# Altium PCB B38_PCB.PcbDoc (part 1 of 2)
Units mil, origin at the board's own origin, x right, y up, seen from the top; angles counter-clockwise.
Board outline 3051.18 x 3503.94 mil, 2 copper layers (Top Layer, Bottom Layer), stack 42.17 mil thick; 131 components, 125 nets, 478 pads, 141 vias.
Unrouted connection lines stored in the file: 3.
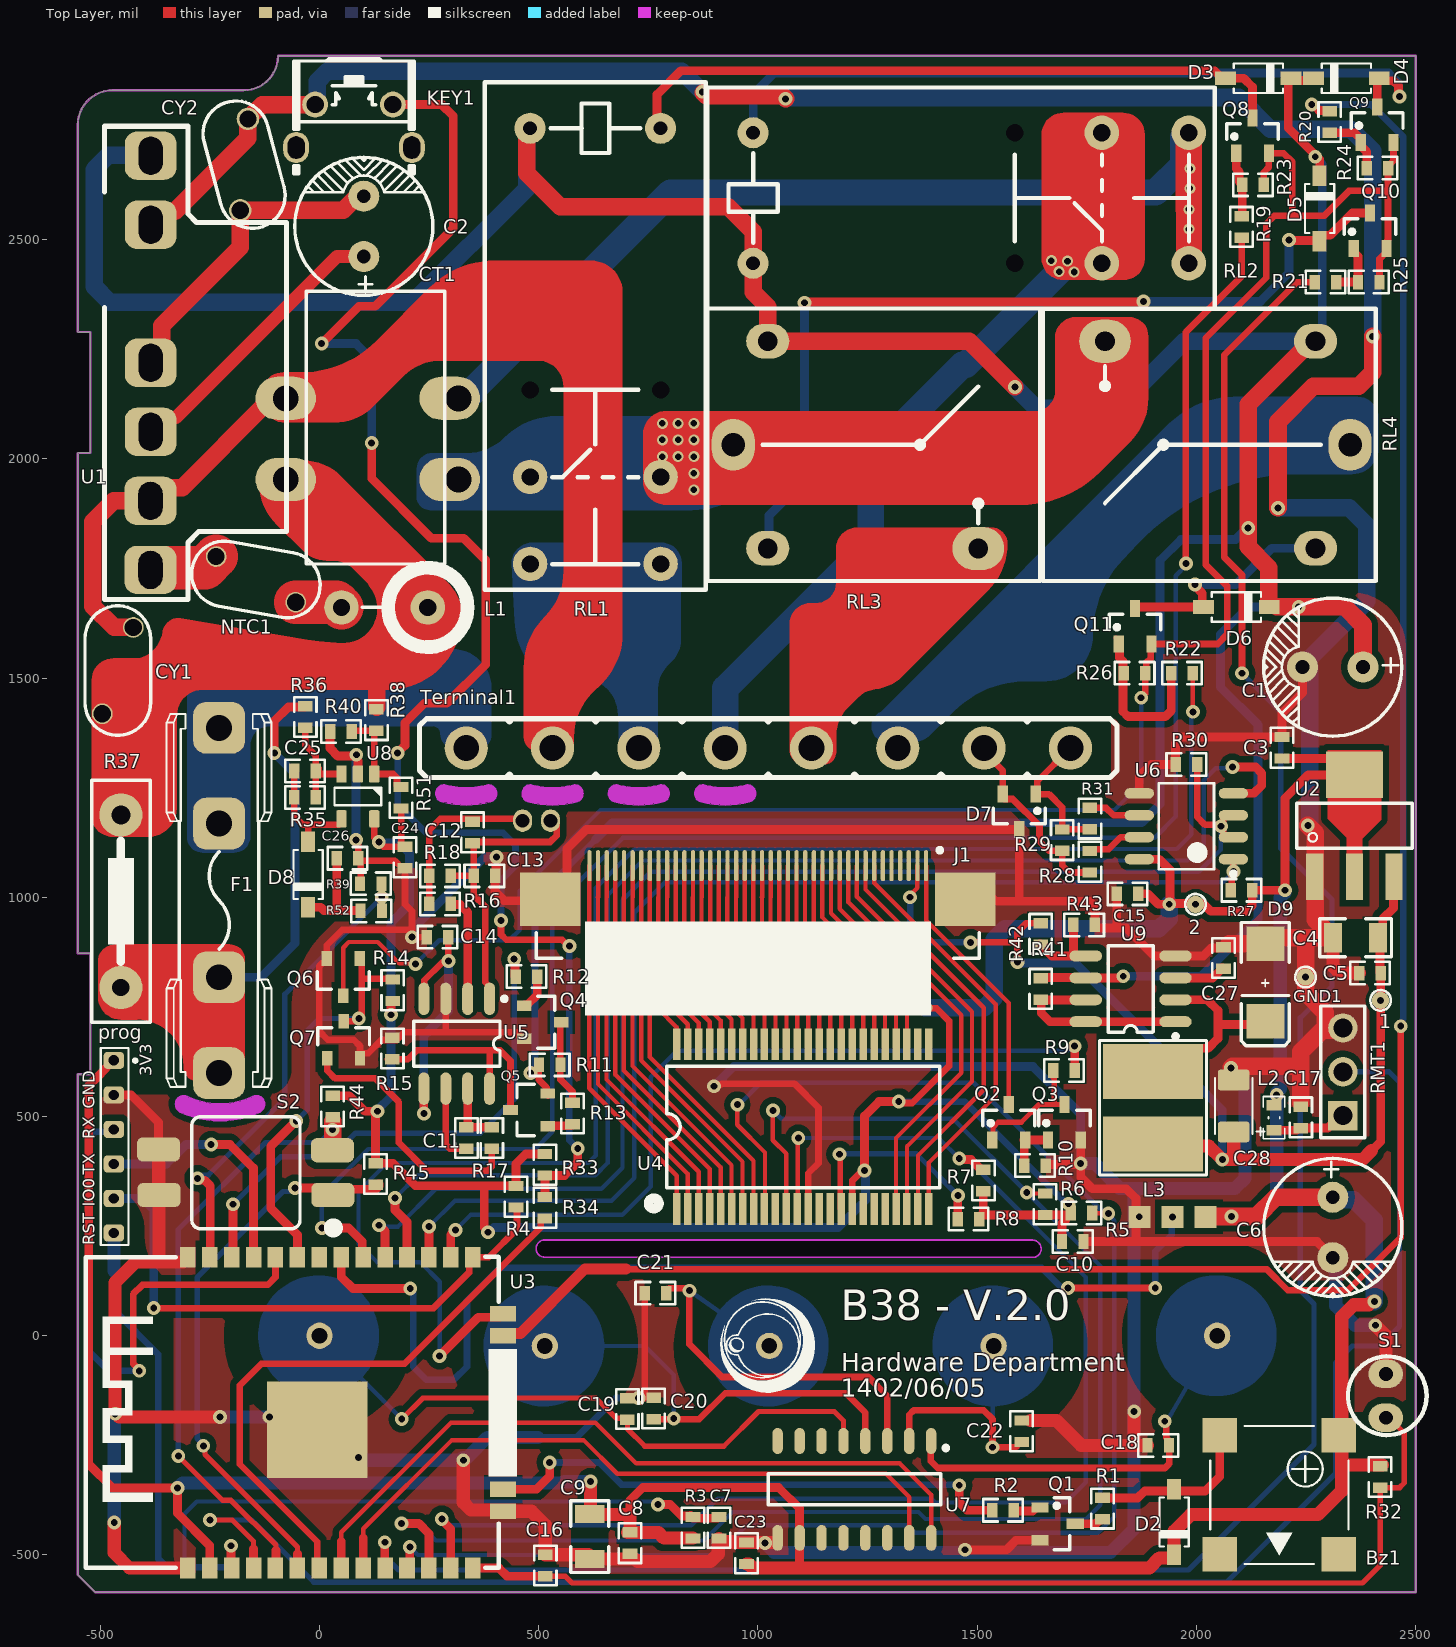
[diagram p0: Top Layer view]
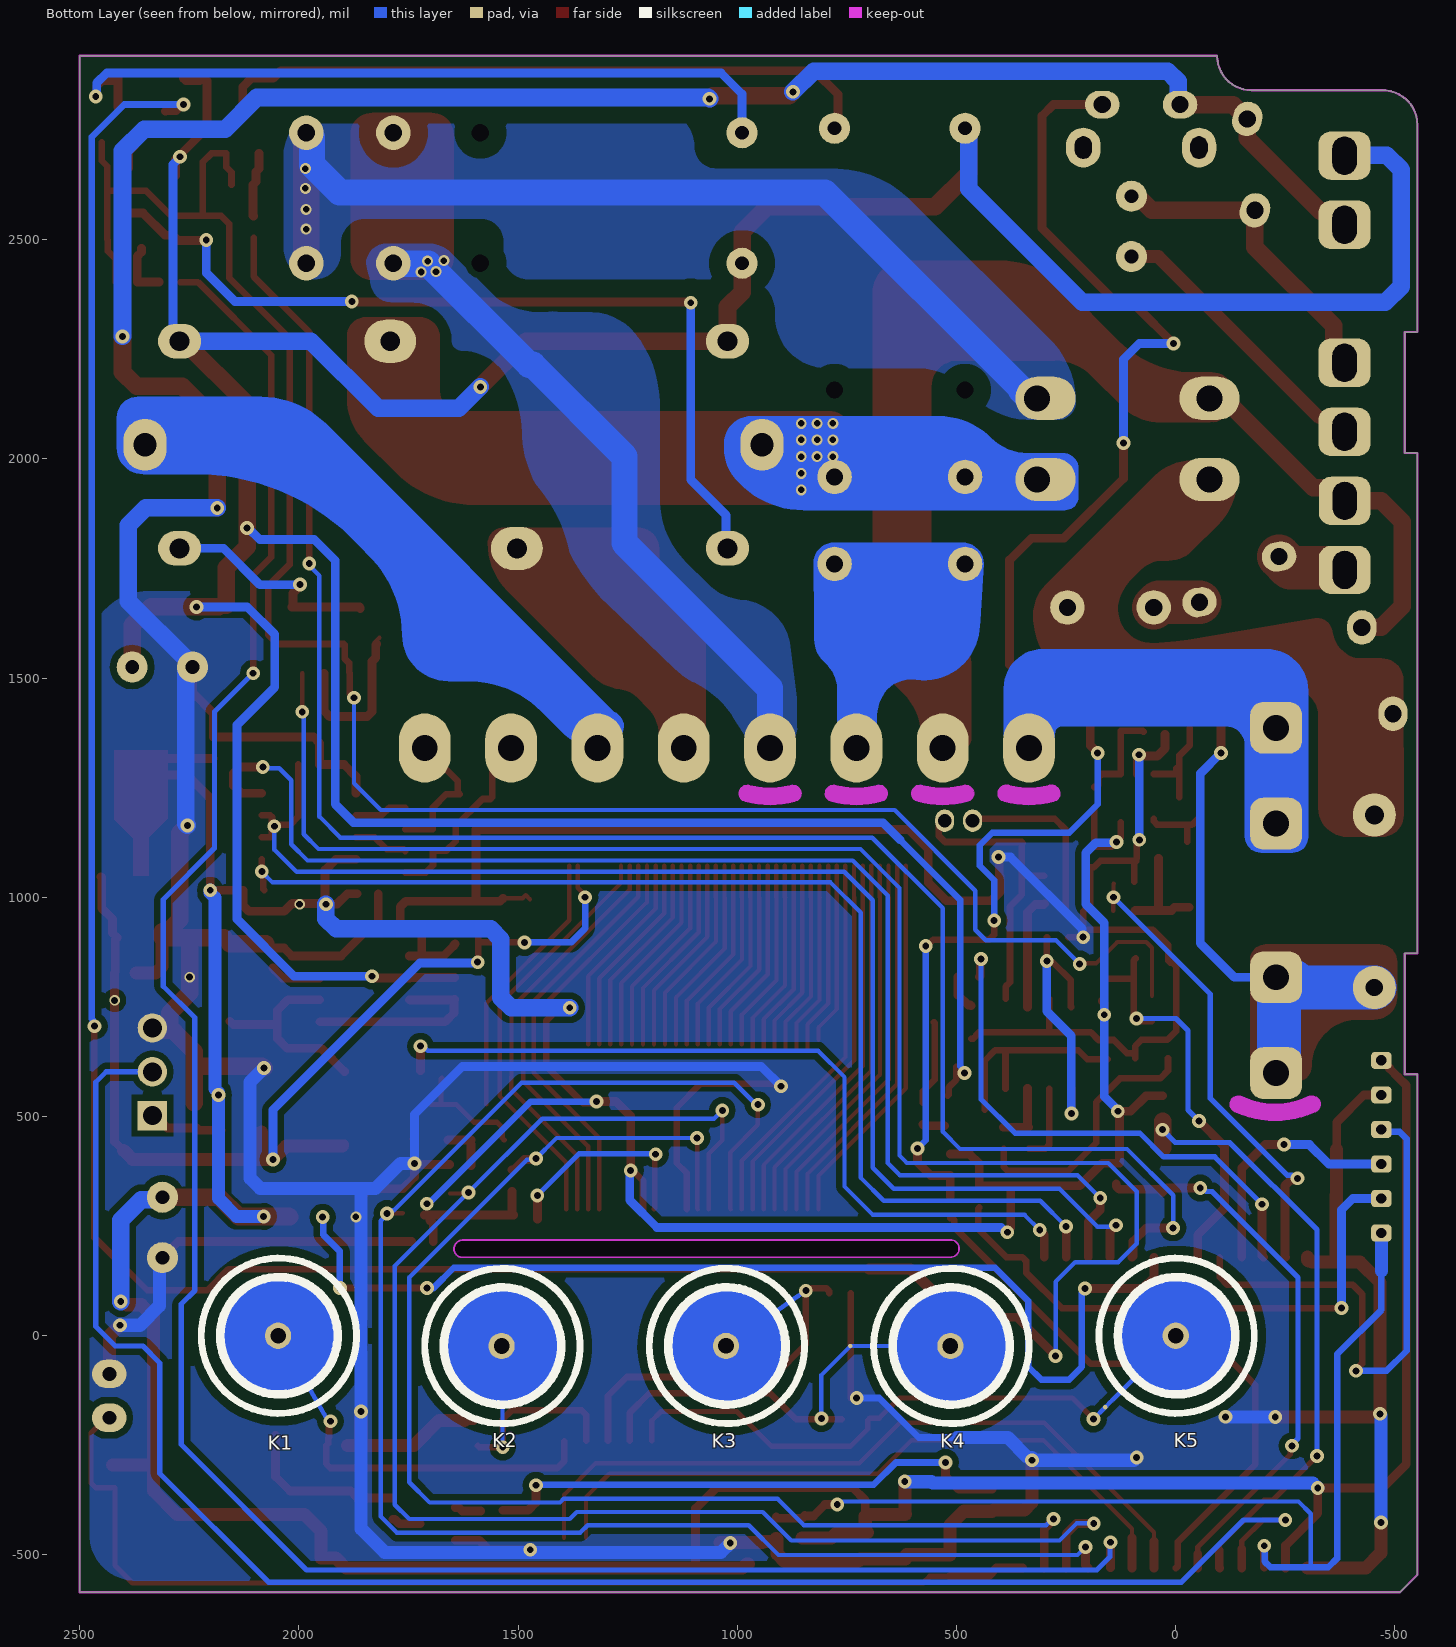
[diagram p1: Bottom Layer view, seen from below]

## Layer stack, top to bottom
Top Solder: solder mask 0.4, Solder Resist, Dk 3.5
Top Layer: signal copper 1.4
Dielectric 1: dielectric 39.3701, FR-4, Dk 4.8
Bottom Layer: signal copper 1.4
Bottom Solder: solder mask 0.4, Solder Resist, Dk 3.5

## Board outline
-551.19,-545.47 -551.19,541.15 -551.17,541.15 -551.17,596.27 -522.44,596.27 -522.44,871.86 -551.17,871.86 -551.17,2013.59 -522.44,2013.59 -522.44,2289.18 -551.17,2289.18 -551.19,2289.2 -551.17,2289.22 -551.17,2761.62 -551.19,2761.62 cw(c-472.45,2761.62) -472.45,2840.36 -173.24,2840.36 ccw(c-173.24,2919.1) -94.5,2919.1 2499.99,2919.1 2499.99,-584.84 -511.82,-584.84
cut-out: -318.33,510.15 ccw(c-226.81,706.41) -135.29,510.15 ccw(c-143.61,528) -123.91,528 ccw(c-143.61,528) -151.94,545.85 cw(c-226.81,706.41) -301.67,545.85 ccw(c-310,528)
cut-out: 513.78,179.13 1627.87,179.13 1626.87,178.87 ccw(c1626.87,198) 1646,198 ccw(c1625.76,198) 1625.76,218.24 1626.76,218.5 513.78,218.5 ccw(c513.78,198.82) 494.09,198.82 ccw(c513.78,198.82)
cut-out: 869.14,1217.8 ccw(c925.19,1426.97) 981.24,1217.8 ccw(c976.14,1236.83) 995.84,1236.83 ccw(c976.14,1236.83) 971.04,1255.86 cw(c925.19,1426.97) 879.34,1255.86 ccw(c874.24,1236.83)
cut-out: 672.29,1217.8 ccw(c728.34,1426.97) 784.39,1217.8 ccw(c779.29,1236.83) 798.99,1236.83 ccw(c779.29,1236.83) 774.19,1255.86 cw(c728.34,1426.97) 682.49,1255.86 ccw(c677.39,1236.83)
cut-out: 475.44,1217.8 ccw(c531.49,1426.97) 587.54,1217.8 ccw(c582.44,1236.83) 602.14,1236.83 ccw(c582.44,1236.83) 577.34,1255.86 cw(c531.49,1426.97) 485.64,1255.86 ccw(c480.54,1236.83)
cut-out: 278.59,1217.8 ccw(c334.64,1426.97) 390.68,1217.8 ccw(c385.59,1236.83) 405.29,1236.83 ccw(c385.59,1236.83) 380.49,1255.86 cw(c334.64,1426.97) 288.79,1255.86 ccw(c283.69,1236.83)

## Design rules (kind name [scope] priority, off if disabled: settings)
Clearance NULL [InNet('NU-RCCB-OUT')] p1: gap=40 ignorepadtopadclearanceinfootprint=FALSE
Clearance Clearance_LCD-Driver [InComponent('U5')] p2: gap=7.48 ignorepadtopadclearanceinfootprint=FALSE
Clearance Clearance_LCD [InComponent('J1')] p3: gap=7 ignorepadtopadclearanceinfootprint=FALSE
Clearance "Clearance_Keep-Out Layer" [OnLayer('Keep-Out Layer')] p4: gap=0 ignorepadtopadclearanceinfootprint=FALSE
Clearance Clearance_HVDC [InNet('PGND') vs InNet('HVDC')or InNet('NetC23_1')] p5: gap=39.37 ignorepadtopadclearanceinfootprint=FALSE
Clearance [All] p6: gap=15 ignorepadtopadclearanceinfootprint=FALSE
ComponentClearance [All] p1: gap=1 collisioncheckmode=3 verticalgap=10 showdistances=FALSE donotcheckwithout3dbody=TRUE
HoleToHoleClearance [All] p1: gap=3.94 allowstackedmicrovias=TRUE
MinimumSolderMaskSliver [All] p1: minsoldermaskwidth=0
NetAntennae NetAntennae_1 [All] p1: netantennaetolerance=0
NetAntennae [All] p2: netantennaetolerance=0.39
PolygonConnect [All] p1: connectstyle=Direct reliefconductorwidth=10 reliefentries=4 polygonreliefangle="90 Angle" airgapwidth=10
RoomDefinition Designator [InComponentClass('Designator')] p1: confinementstyle=ConfineIn formatcopy=TRUE lockcomponents=FALSE outline -2348.43,-1865.58 -348.43,-1865.58 -348.43,-865.58 -2348.43,-865.58
RoomDefinition Designator [InComponentClass('Designator')] p2: confinementstyle=ConfineOut formatcopy=TRUE lockcomponents=FALSE outline -2348.43,-1865.58 -348.43,-1865.58 -348.43,-865.58 -2348.43,-865.58
RoomDefinition U_B38_Shunt [InComponentClass('U_B38_Shunt')] p3: confinementstyle=ConfineOut formatcopy=TRUE lockcomponents=FALSE outline -2348.43,-1865.58 -348.43,-1865.58 -348.43,-865.58 -2348.43,-865.58
RoomDefinition Temp_Sensor [InComponentClass('Temp_Sensor')] p4: confinementstyle=ConfineOut formatcopy=TRUE lockcomponents=FALSE outline -2348.43,-1865.58 -348.43,-1865.58 -348.43,-865.58 -2348.43,-865.58
RoomDefinition Voltage_Regulator [InComponentClass('Voltage_Regulator')] p5: confinementstyle=ConfineOut formatcopy=TRUE lockcomponents=FALSE outline -2348.43,-1865.58 -348.43,-1865.58 -348.43,-865.58 -2348.43,-865.58
RoomDefinition U_B38_TOUCH_KEYS [InComponentClass('U_B38_TOUCH_KEYS')] p6: confinementstyle=ConfineOut formatcopy=TRUE lockcomponents=FALSE outline -2348.43,-1865.58 -348.43,-1865.58 -348.43,-865.58 -2348.43,-865.58
RoomDefinition U_B38_RF-RMT [InComponentClass('U_B38_RF-RMT')] p7: confinementstyle=ConfineOut formatcopy=TRUE lockcomponents=FALSE outline -2348.43,-1865.58 -348.43,-1865.58 -348.43,-865.58 -2348.43,-865.58
RoomDefinition U_B38_Relay [InComponentClass('U_B38_Relay')] p8: confinementstyle=ConfineOut formatcopy=TRUE lockcomponents=FALSE outline -2348.43,-1865.58 -348.43,-1865.58 -348.43,-865.58 -2348.43,-865.58
RoomDefinition U_B38_LCM [InComponentClass('U_B38_LCM')] p9: confinementstyle=ConfineOut formatcopy=TRUE lockcomponents=FALSE outline -2348.43,-1865.58 -348.43,-1865.58 -348.43,-865.58 -2348.43,-865.58
RoomDefinition RS485 [InComponentClass('RS485')] p10: confinementstyle=ConfineOut formatcopy=TRUE lockcomponents=FALSE outline -2348.43,-1865.58 -348.43,-1865.58 -348.43,-865.58 -2348.43,-865.58
RoomDefinition POWER [InComponentClass('POWER')] p11: confinementstyle=ConfineOut formatcopy=TRUE lockcomponents=FALSE outline -2348.43,-1865.58 -348.43,-1865.58 -348.43,-865.58 -2348.43,-865.58
RoomDefinition ESP32 [InComponentClass('ESP32')] p12: confinementstyle=ConfineOut formatcopy=TRUE lockcomponents=FALSE outline -2348.43,-1865.58 -348.43,-1865.58 -348.43,-865.58 -2348.43,-865.58
RoomDefinition Buzzer [InComponentClass('Buzzer')] p13: confinementstyle=ConfineOut formatcopy=TRUE lockcomponents=FALSE outline -2348.43,-1865.58 -348.43,-1865.58 -348.43,-865.58 -2348.43,-865.58
RoomDefinition B38_TopSheet [InComponentClass('B38_TopSheet')] p14: confinementstyle=ConfineOut formatcopy=TRUE lockcomponents=FALSE outline -2348.43,-1865.58 -348.43,-1865.58 -348.43,-865.58 -2348.43,-865.58
RoutingVias [All] p1: holewidth=15.75 width=31.5 viastyle="Through Hole" minholewidth=15.75 minwidth=31.5 maxholewidth=15.75 maxwidth=31.5
SilkToSilkClearance [All] p1: silktosilkclearance=0
SilkToSolderMaskClearance [IsPad] p1: minsilkscreentomaskgap=0.04 clearancetoexposedcopper=TRUE
SolderMaskExpansion [All] p1: expansion=4 istentingtop=FALSE
Width [All] p1: maxlimit=100 minlimit=10 preferedwidth=20
24 further rules are at their usual default settings.

## Classes and differential pairs
component class U_B38_Shunt: C24 C25 C26 D8 R35 R36 R37 R38 R39 R40 R51 R52 U8
component class Designator: C27 C28 D9 L3 R41 R42 R43 U9
component class Temp_Sensor: C16 R32 S1
component class ESP32: C7 C8 C9 R3 R4 U3
component class U_B38_Relay: D3 D4 D5 D6 Q8 Q9 Q10 Q11 R19 R20 R21 R22 R23 R24 R25 R26 RL1 RL2 RL3 RL4
component class U_B38_TOUCH_KEYS: C18 C19 C20 C21 C22 C23 K1 K2 K3 K4 K5 U7
component class U_B38_RF-RMT: C17 L2 RMT1
component class U_B38_LCM: C10 J1 Q2 Q3 R5 R6 R7 R8 R9 R10 U4
component class Voltage_Regulator: C3 C4 C5 C6 U2
component class Designator: C11 C12 C13 C14 Q4 Q5 Q6 Q7 R11 R12 R13 R14 R15 R16 R17 R18 U5
component class RS485: C15 D7 R27 R28 R29 R30 R31 U6
component class POWER: C1 C2 CY1 CY2 L1 NTC1 U1
component class B38_TopSheet: 1 2 CT1 F1 GND1 KEY1 prog R33 R34 R44 R45 S2 Terminal1
component class Buzzer: Bz1 D2 Q1 R1 R2

## Components (designator, comment, footprint, x,y, rotation, side; value= is the part's Value field where it differs from the comment)
1 "DNP" TP 2420,765 r90 top
2 "DNP" TP 1998,984 r90 top
Bz1 "Buzzer" Buzzer 2189,-363 r180 top
C1 "1000uF" "Cap electrolitic radial 8x11.5" 2311.02,1525 r0 top
C2 "4.7uF 400V" "Cap electrolitic radial 8x11.5" 101,2530 r270 top
C3 "100nF" CAP0603 2195,1341 r270 top
C4 "10uF" cap1206 2363,908 r0 top
C5 "100nF" CAP0603 2395.7,827.07 r0 top
C6 "1000uF/6.3V" "Cap electrolitic radial 8x11.5" 2311,247 r90 top locked
C7 "100nF" CAP0603 911,-438 r90 top
C8 "100nF" CAP0603 708,-473 r90 top
C9 "10uF" CAP1206 616,-458 r90 top value=100nF
C10 "100nF" CAP0603 1718,215 r0 top
C11 "47nF" CAP0603 335,451 r270 top
C12 "47nF" CAP0603 349,1148 r270 top
C13 "47nF" CAP0603 376,1049 r0 top
C14 "47nF" CAP0603 269,909 r180 top
C15 "100nF" CAP0603 1843,1008 r0 top
C16 "100nF" CAP0603 515,-524 r270 top
C17 "100nF" CAP0603 2238,498 r90 top
C18 "DNP (10pF)" CAP0603 1913,-250 r0 top value=100nF
C19 "DNP (10pF)" CAP0603 702,-167 r270 top value=100nF
C20 "DNP (10pF)" CAP0603 762,-166 r270 top value=100nF
C21 "DNP (10pF)" CAP0603 766,97 r0 top value=100nF
C22 "DNP (10pF)" CAP0603 1601.39,-217.68 r270 top value=100nF
C23 "100nF" CAP0603 974,-496 r90 top
C24 "1UF" CAP0603 195,1091 r270 top
C25 "100pF" CAP0603 -33,1287.87 r180 top
C26 "1UF" CAP0603 64,1089 r0 top
C27 "150pf" CAP0603 2061.9,861.66 r90 top
C28 "47uF 16V" "Capacitor Tantalum" 2085,524 r90 top value=1uF
CT1 "CT" RCCB-CT 299.95,1992.01 r270 top locked
CY1 "1nF/2KV" "NTC 7.5-D"#1 -460,1517 r0 top
CY2 "1nF/2KV" "NTC 7.5-D"#2 -172,2671 r195 top
D2 "1N4148" sod-123 1949,-424.8 r180 top value=1N4148WS
D3 "1N4148" SOD-123 2141,2868 r270 top
D4 "1N4148" SOD-123 2342,2868 r90 top
D5 "1N4148" SOD-123 2281,2571 r0 top
D6 "1N4148" SOD-123 2091,1662 r270 top
D7 "PSM712" SOT-23 1596,1195 r180 top
D8 "LL4148" sod-123 -26,1052 r180 top
D9 "SS14" "M7(1n4007 SMD)DO214" 2157,806 r270 top
F1 "F=1.0 A" "FUSE 5X20" -229,992.8 r180 top
GND1 "DNP" TP 2248.89,817.95 r90 top
J1 "4-1734592-0" "FFC40PIN TOP" 999.51,961.76 r0 top
K1 "" ?#1 2045.22,0 r60 bottom locked
K2 "" ?#2 1535.43,-23.35 r90 bottom locked
K3 "" ?#3 1023.62,-23.25 r325 bottom locked
K4 "" ?#4 511.81,-23.35 r180 bottom locked
K5 "" ?#5 -2.03,0 r135 bottom locked
KEY1 "ON-OFF Key" "PUSH BUTTON" 78.73,2807.88 r0 top locked
L1 "1mH" "Inductor Stand" 247,1661 r270 top
L2 "Ferrite Bead SMD" FB0603 2177,497.46 r90 top
L3 "22uH" IND-5.8MM 1901,520 r0 top
NTC1 "10D-7" "NTC 7.5-D"#3 -145,1725 r260 top
prog "header1*4" HEADER-2.54MM -469,627.96 r270 top
Q1 "mmbt3904" SOT-23 1683.31,-429 r270 top
Q2 "mmbt3904" SOT-23 1572,487 r0 top
Q3 "mmbt3904" SOT-23 1699,487 r0 top
Q4 "2n3904" sot23 509,715 r0 top
Q5 "2n3906" sot23 478,515 r180 top
Q6 "2N7002" sot23 54,818 r270 top
Q7 "2N7002" sot23 55,675 r90 top
Q8 "mmbt3904" SOT-23 2128,2737 r0 top
Q9 "mmbt3904" SOT-23 2412,2762 r0 top
Q10 "mmbt3904" SOT-23 2396,2520 r0 top
Q11 "mmbt3904" SOT-23 1860,1618 r0 top
R1 "10R" RES0603 1785.8,-394.24 r270 top value=100Ω
R2 "1K" RES0603 1559,-398 r180 top value=1KΩ
R3 "10K" RES0603 852,-438 r270 top value=100Ω
R4 "10K" RES0603 448,317 r90 top value=100Ω
R5 "10K" RES0603 1738,280 r0 top value=100Ω
R6 "10K" RES0603 1655,300 r90 top value=100Ω
R7 "10K" RES0603 1514,354 r90 top value=100Ω
R8 "75R" RES0603 1480,266 r180 top value=100Ω
R9 "10K" RES0603 1698,605 r0 top value=100Ω
R10 "33R" RES0603 1632,388 r180 top value=100Ω
R11 "Res1" RES0603 525,618 r180 top value=10k
R12 "Res1" RES0603 472,819 r0 top value=10k
R13 "Res1" RES0603 577,507 r90 top value=10k
R14 "Res1" RES0603 167,788 r90 top value=10k
R15 "Res1" RES0603 166,655 r90 top value=56k
R16 "Res1" RES0603 275,985 r180 top value=100R
R17 "Res1" RES0603 393,451 r90 top value=10k
R18 "Res1" RES0603 275,1049 r0 top value=120R
R19 "2.2K" RES0603 2103,2529 r270 top value=1KΩ
R20 "2.2K" RES0603 2304,2768 r90 top value=1KΩ
R21 "2.2K" RES0603 2294.5,2403 r180 top value=1KΩ
R22 "2.2K" RES0603 1967,1511 r0 top value=1KΩ
R23 "10K" RES0603 2129,2625 r0 top value=1KΩ
R24 "10K" RES0603 2413,2663 r0 top value=1KΩ
R25 "10K" RES0603 2393,2403 r0 top value=1KΩ
R26 "10K" RES0603 1859,1511 r0 top value=1KΩ
R27 "10k" RES0603 2103,1016 r0 top
R28 "10R" RES0603 1756.87,1081 r270 top value=10Ω
R29 "120R" RES0603 1693.89,1130.21 r270 top value=120Ω
R30 "10k" RES0603 1977,1303 r180 top
R31 "10R" RES0603 1756.87,1179.43 r270 top value=10Ω
R32 "10K, 1%" RES0603 2419,-322 r90 top value=120Ω
R33 "10K" RES0603 514,390 r270 top value=100Ω
R34 "1K" RES0603 514,292 r90 top value=100Ω
R35 "Res1" RES0603 -33,1227.87 r180 top value=100K
R36 "Res1" RES0603 -32.34,1411 r270 top value=3K
R37 "10MiliOhm" SHUNT-10MM -453,991 r270 top
R38 "Res1" RES0603 129.66,1404 r270 top value=3K
R39 "Res1" RES0603 117,1031 r0 top value=560K
R40 "Res1" RES0603 49,1378 r0 top value=100K
R41 "192miliOHM" RES0603 1644.89,791.16 r90 top value=1K
R42 "3K" RES0603 1644.9,916.66 r90 top
R43 "1K" RES0603 1743.89,937.16 r0 top
R44 "10K" RES0603 30,523 r270 top value=100Ω
R45 "10K" RES0603 128,369 r270 top value=100Ω
R51 "Res1" RES0603 186,1227 r270 top value=330K
R52 "Res1" RES0603 118,969 r180 top value=150K
RL1 "RELAY_SPST" RELAY-HF115F 629.18,2280.62 r270 top locked
RL2 "RELAY_SPST" RELAY-HF115F 1462.23,2594.82 r0 top locked
RL3 "RELAY_SPST" REL-SEDNA-4PIN 1223,2032 r0 top locked
RL4 "RELAY_SPST" REL-SEDNA-4PIN 2071,2032 r180 top locked
RMT1 "RF831" RF-RMT 2334,502 r90 top
S1 "103AT" 103AT 2432,-137 r90 top
S2 "DIP Switch x2" "GDS02s-2.54 smd" 30,372 r90 top locked
Terminal1 "Header 8" TERMINAL 1023.62,1340.36 r0 top locked
U1 "LS05-13BxxR3-F" LS05-13BXXR3 -385.2,2219 r90 top locked
U2 "AMS1117-3.3V" SOT-223 2360.23,1162.95 r0 top
U3 "ESP32-WROOM" "ESP32 WROOM" -98.43,-175.39 r90 top locked
U4 "32 4 LCD Controller" SOP64P1035X277-48N 1102.36,476.81 r90 top locked
U5 "opamp" SO-8 313,666 r90 top
U6 "SN65HVD75D" SO-8N 1977,1162 r180 top
U7 "BS818A-2" SO16 1220,-350.47 r270 top
U8 "LMV321IDBVR" SOT23-5 87.54,1230 r270 top
U9 "MC34063ACD-TR" SO-8 1849.91,791.18 r0 top

## Footprints (in the part's own frame and the unit in brackets; to place one, negate y for a bottom-side part, rotate by r counter-clockwise, add the part's x,y. Pads: shape width x height; smd on the part's side, far side on the other; paste and mask are expansions set on the pad)
103AT [mm]
  oval 1.65x2 hole 0.8: 1(-1.27,0) 2(1.27,0)
  silkscreen extent -2.27,-2.36 2.28,2.19
Buzzer [mm]
  rect 2x2 smd: 1(-3.45,-3.45) 2(3.45,-3.45) 3(-3.45,3.45) 4(3.45,3.45)
  silkscreen extent -4,-4 4,4, body extent -4.25,-4.25 4.25,4.25, height 3
CAP0603 [mm]
  rect 0.6x0.85 smd: 1(-0.622,0) 2(0.622,0)
  Top Layer pour cut-out: -0.65,0.65 -0.65,-0.65 0.622,-0.65 0.622,0.65
  silkscreen extent -1.15,-0.65 1.15,0.65, body extent -0.82,-0.42 0.83,0.43, height 0.4
cap1206 [mm]
  rect 1.05x1.7 smd: 1(-1.3,0) 2(1.3,0)
  Top Layer pour cut-out: -1.6,1.1 1.6,1.1 1.6,-1.1 -1.6,-1.1
  silkscreen extent -2.08,-1.1 2.08,1.1, body extent -1.65,-0.85 1.65,0.85, height 0.94
CAP1206 [mm]
  rect 1.05x1.7 smd: 1(-1.3,0) 2(1.3,0)
  Top Layer pour cut-out: -1.6,1.1 1.6,1.1 1.6,-1.1 -1.6,-1.1
  silkscreen extent -2.08,-1.1 2.08,1.1, body extent -1.65,-0.85 1.65,0.85, height 0.94
"Cap electrolitic radial 8x11.5" [mm]
  round 1.8 hole 0.8: 1(1.75,0) 2(-1.75,0)
  silkscreen extent -4.02,-4 4,4, body extent -4.03,-4.03 4.03,4.03, height 12.03
"Capacitor Tantalum" [mm] "package size A or 1206"
  rrect25% 1.2x1.82 smd: 1(-1.505,0) 2(1.505,0)
  silkscreen extent -1.71,-1.79 1.63,1.09, body extent -1.71,-0.89 1.69,0.91, height 1.8
"ESP32 WROOM" [mm]
  rect 5.588x5.842 smd paste-2.25: 0(-0.996,-2.37)
  rect 1.2x0.9 smd: 1(-9,5.13) 2(-9,3.86) 3(-9,2.59) 4(-9,1.32) 5(-9,0.05) 6(-9,-1.22) 7(-9,-2.49) 8(-9,-3.76) 9(-9,-5.03) 10(-9,-6.3) 11(-9,-7.57) 12(-9,-8.84) 13(-9,-10.11) 14(-9,-11.38) 25(9,-11.38) 26(9,-10.11) 27(9,-8.84) 28(9,-7.57) 29(9,-6.3) 30(9,-5.03) 31(9,-3.76) 33(9,-1.22) 34(9,0.05) 35(9,1.32) 36(9,2.59) 37(9,3.86) 38(9,5.13)
  rect 0.9x1.5 smd: 15(-5.711,-13.134) 16(-4.441,-13.134) 23(4.449,-13.134) 24(5.719,-13.134)
  rect 0.9x1.5 on Top Overlay: 17(-3.171,-13.134) 18(-1.901,-13.134) 19(-0.631,-13.134) 20(0.639,-13.134) 21(1.909,-13.134) 22(3.179,-13.134)
  rect 1.2x0.9 smd paste+0: 32(9,-2.49)
  silkscreen extent -8.99,-12.89 9.02,11.05, body extent -9.04,-12.94 9.03,12.6, height 3.04
FB0603 [mm] "Ferrite Chip Bead SMD 0603-Design:Ali Hafizi"
  rect 0.6x0.85 smd: 1(-0.725,0) 2(0.725,0)
  silkscreen extent -1.22,-0.63 1.22,0.63, body extent -0.81,-0.4 0.79,0.4, height 0.8
"FFC40PIN TOP" [mm]
  rect 3.5x3.1 smd paste+0: 0(-12.02,0.85) 0(12.02,0.85)
  oval 0.25x1.8 smd paste+0: 1(9.75,2.8) 2(9.25,2.8) 3(8.75,2.8) 4(8.25,2.8) 5(7.75,2.8) 6(7.25,2.8) 7(6.75,2.8) 8(6.25,2.8) 9(5.75,2.8) 10(5.25,2.8) 11(4.75,2.8) 12(4.25,2.8) 13(3.75,2.8) 14(3.25,2.8) 15(2.75,2.8) 16(2.25,2.8) 17(1.75,2.8) 18(1.25,2.8) 19(0.75,2.8) 20(0.25,2.8) 21(-0.25,2.8) 22(-0.75,2.8) 23(-1.25,2.8) 24(-1.75,2.8) 25(-2.25,2.8) 26(-2.75,2.8) 27(-3.25,2.8) 28(-3.75,2.8) 29(-4.25,2.8) 30(-4.75,2.8) 31(-5.25,2.8) 32(-5.75,2.8) 33(-6.25,2.8) 34(-6.75,2.8) 35(-7.25,2.8) 36(-7.75,2.8) 37(-8.25,2.8) 38(-8.75,2.8) 39(-9.25,2.8) 40(-9.75,2.8)